# KiCad board register-motherboard - Copy.kicad_pcb (continued)
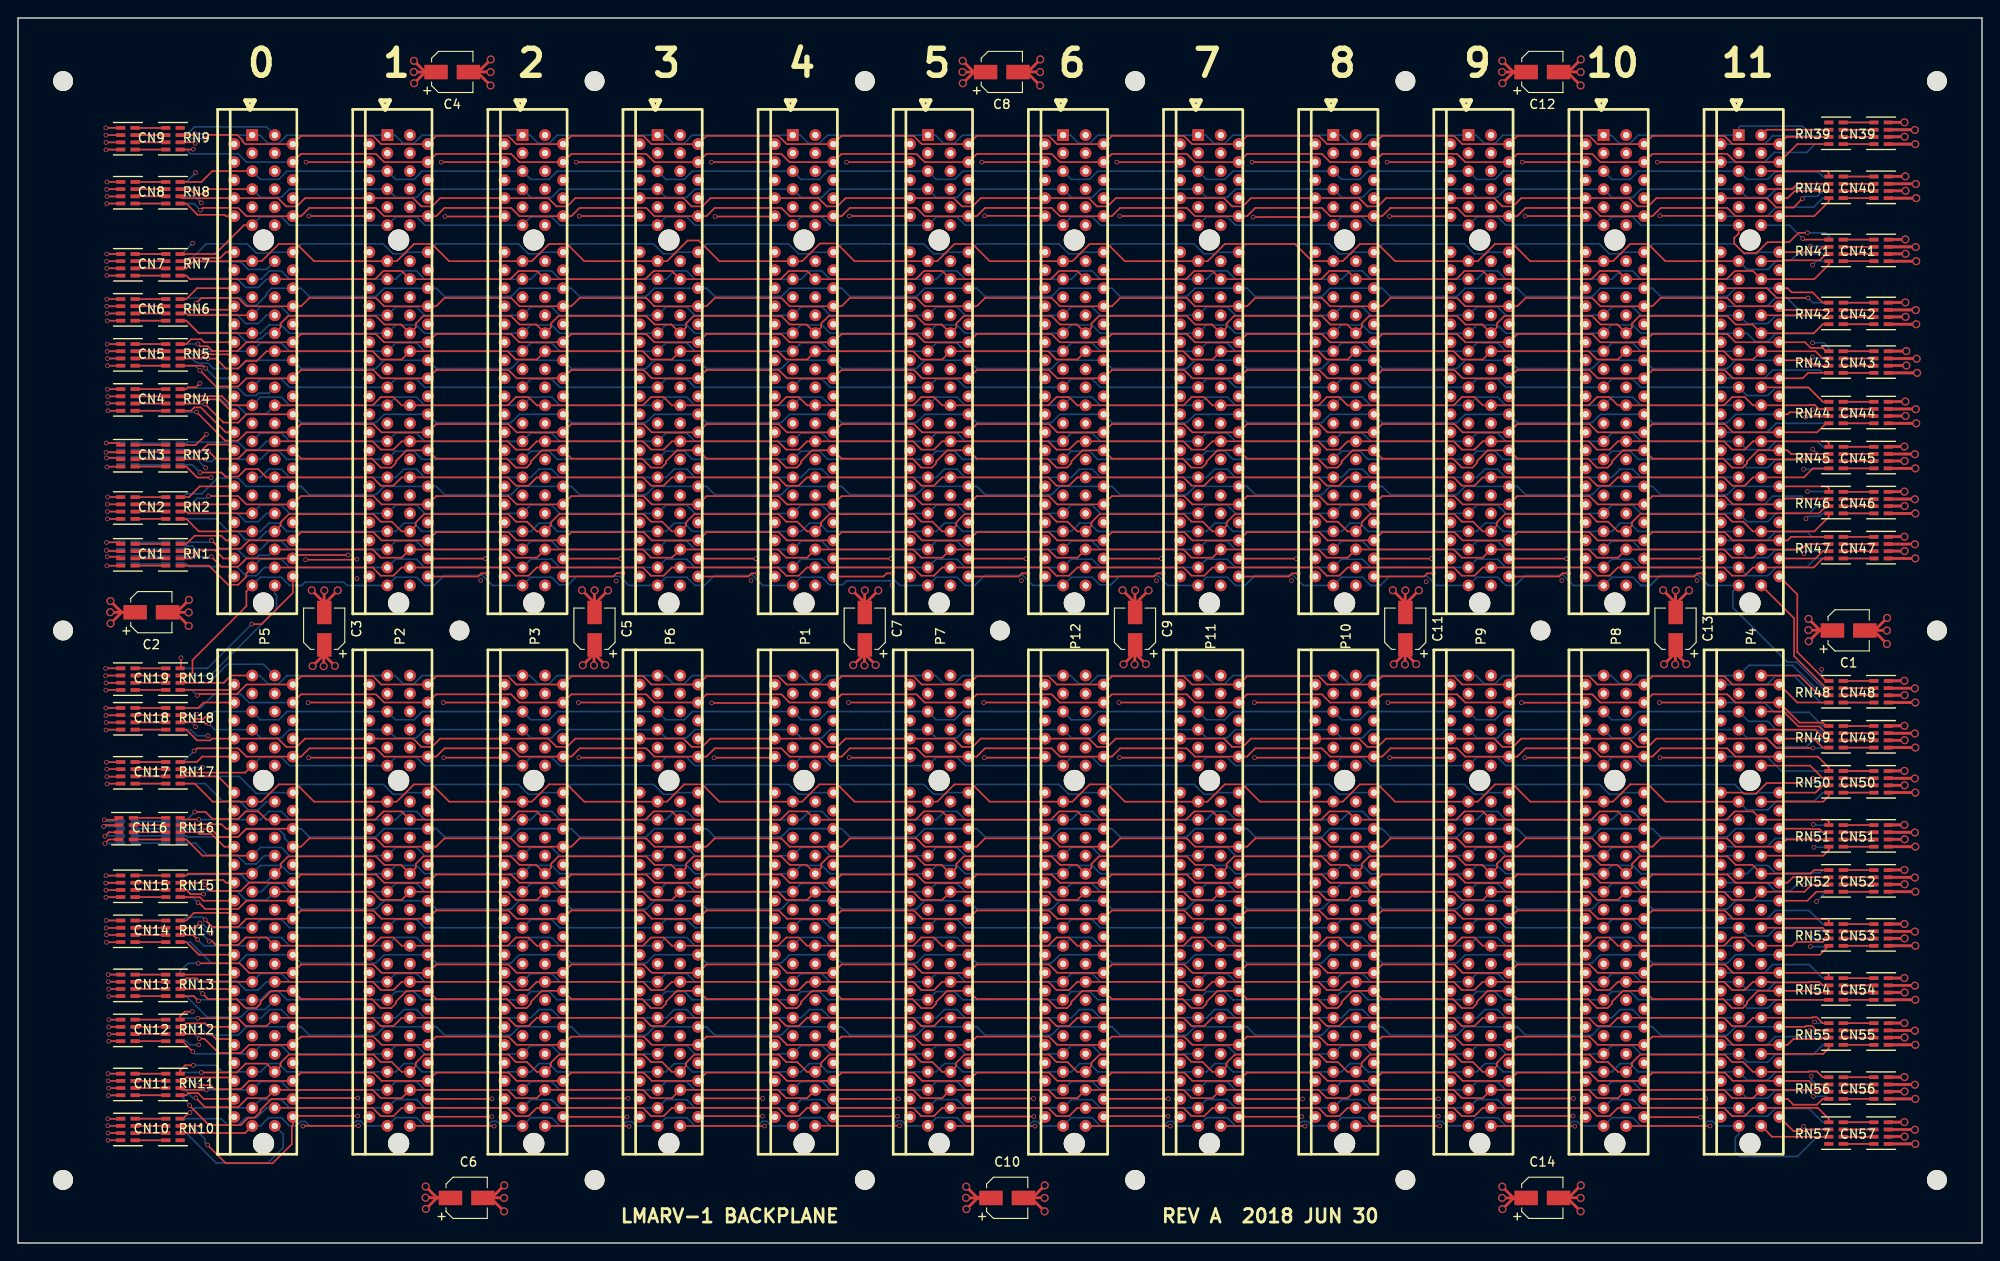
[diagram p0: board, top side]
## Routing (per net, layer and track width the routed paths; a pad name or vN(x,y) marks a point on that pad's centre or on a via; arc(x,y) is an arc through that point) (continued)
/rs1[5]: length 192.4
  Top w0.178: v1(20.72,39.78) 21.42,39.08 24.72,39.08 25.64,40 P5.169 31.42,40.92 39.73,40.92 40.64,40 P2.169 46.42,40.92 54.73,40.92 55.64,40 P3.169 61.42,40.92 69.73,40.92 70.64,40 P6.169 76.42,40.92 84.73,40.92 85.64,40 P1.169 91.42,40.92 99.73,40.92 100.64,40 P7.169 106.42,40.92 114.73,40.92 115.64,40 P12.169 121.42,40.92 129.73,40.92 130.64,40 P11.169 136.42,40.92 144.73,40.92 145.64,40 P10.169 151.42,40.92 159.73,40.92 160.64,40 P9.169 166.42,40.92 174.73,40.92 175.64,40 P8.169 181.42,40.92 189.73,40.92 190.64,40 P4.169 196.42,40 197.02,40.6 RN52.6
  Bottom w0.178: RN34.6 20.5,40 v1(20.72,39.78)
/rs1[6]: length 204.2
  Top w0.178: P5.168 29.15,41.65 29.15,42.08 29.98,42.92 39.72,42.92 40.66,41.98 42.52,41.98 P2.168 44.15,41.65 44.15,42.08 44.98,42.92 54.72,42.92 55.66,41.98 57.52,41.98 P3.168 59.15,41.65 59.15,42.08 59.98,42.92 69.72,42.92 70.66,41.98 72.52,41.98 P6.168 74.15,41.65 74.15,42.08 74.98,42.92 84.72,42.92 85.66,41.98 87.52,41.98 P1.168 89.15,41.65 89.15,42.08 89.98,42.92 99.72,42.92 100.66,41.98 102.52,41.98 P7.168 104.15,41.65 104.15,42.08 104.98,42.92 114.72,42.92 115.66,41.98 117.52,41.98 P12.168 119.15,41.65 119.15,42.08 119.98,42.92 129.72,42.92 130.66,41.98 132.52,41.98 P11.168 134.15,41.65 134.15,42.08 134.98,42.92 144.72,42.92 145.66,41.98 147.52,41.98 P10.168 149.15,41.65 149.15,42.08 149.98,42.92 159.72,42.92 160.66,41.98 162.52,41.98 P9.168 164.15,41.65 164.15,42.08 164.98,42.92 174.72,42.92 175.66,41.98 177.52,41.98 P8.168 179.15,41.65 179.15,42.08 179.98,42.92 189.72,42.92 190.66,41.98 192.52,41.98 P4.168 198.96,41 199.36,41.4 RN52.5
  Bottom w0.178: RN34.5 18.68,40.8 18.79,40.92 24.73,40.92 25.56,40.08 27.58,40.08 P5.168
/rs1[7]: length 193.3
  Top w0.178: P4.166 200.38,43 201,43.62 RN51.8
  In2.Cu w0.178: P5.166 39.64,43 40.56,42.08 42.58,42.08 P2.166 54.64,43 55.56,42.08 57.58,42.08 P3.166 69.64,43 70.56,42.08 72.58,42.08 P6.166 84.64,43 85.56,42.08 87.58,42.08 P1.166 99.64,43 100.56,42.08 102.58,42.08 P7.166 114.64,43 115.56,42.08 117.58,42.08 P12.166 129.64,43 130.56,42.08 132.58,42.08 P11.166 144.64,43 145.56,42.08 147.58,42.08 P10.166 159.64,43 160.56,42.08 162.58,42.08 P9.166 174.64,43 175.56,42.08 177.58,42.08 P8.166 189.64,43 190.56,42.08 192.58,42.08 P4.166
  Bottom w0.178: P5.166 27.36,43 26.44,42.08 25.27,42.08 24.27,43.08 20.99,43.08 19.67,44.4 RN35.8
/rs1[8]: length 193.1
  Top w0.178: P5.165 31.42,44 32.34,44.92 39.73,44.92 40.64,44 P2.165 46.42,44 47.34,44.92 54.73,44.92 55.64,44 P3.165 61.42,44 62.34,44.92 69.73,44.92 70.64,44 P6.165 76.42,44 77.34,44.92 84.73,44.92 85.64,44 P1.165 91.42,44 92.34,44.92 99.73,44.92 100.64,44 P7.165 106.42,44 107.34,44.92 114.73,44.92 115.64,44 P12.165 121.42,44 122.34,44.92 129.73,44.92 130.64,44 P11.165 136.42,44 137.34,44.92 144.73,44.92 145.64,44 P10.165 151.42,44 152.34,44.92 159.73,44.92 160.64,44 P9.165 166.42,44 167.34,44.92 174.73,44.92 175.64,44 P8.165 181.42,44 182.34,44.92 189.73,44.92 190.64,44 P4.165 196.3,44.8 RN51.7
  Bottom w0.178: RN35.7 18.68,45.2 18.79,45.08 24.44,45.08 25.27,45.92 28.94,45.92 29.58,45.27 29.58,44.92 P5.165
/rs1[9]: length 192.3
  Top w0.178: v1(20.4,45.93) 21.47,45.93 22.32,45.08 24.44,45.08 25.36,46 P5.163 ; RN51.6 200.32,45.6 199.96,45.96 198.91,45.96 198.87,46 P4.163
  Bottom w0.178: P5.163 31.42,46 32.34,45.08 39.73,45.08 40.64,46 P2.163 46.42,46 47.34,45.08 54.73,45.08 55.64,46 P3.163 61.42,46 62.34,45.08 69.73,45.08 70.64,46 P6.163 76.42,46 77.34,45.08 84.73,45.08 85.64,46 P1.163 91.42,46 92.34,45.08 99.73,45.08 100.64,46 P7.163 106.42,46 107.34,45.08 114.73,45.08 115.64,46 P12.163 121.42,46 122.34,45.08 129.73,45.08 130.64,46 P11.163 136.42,46 137.34,45.08 144.73,45.08 145.64,46 P10.163 151.42,46 152.34,45.08 159.73,45.08 160.64,46 P9.163 166.42,46 167.34,45.08 174.73,45.08 175.64,46 P8.163 181.42,46 182.34,45.08 189.73,45.08 190.64,46 P4.163 ; RN35.6 18.68,46 18.75,45.93 v1(20.4,45.93)
/rs1[10]: length 193.3
  Top w0.178: v1(19.62,47.86) 20.81,47.86 21.59,47.08 24.44,47.08 25.27,47.92 26.66,47.92 27.58,47 P5.162 39.64,47 40.56,47.92 42.58,47.92 P2.162 54.64,47 55.56,47.92 57.58,47.92 P3.162 69.64,47 70.56,47.92 72.58,47.92 P6.162 84.64,47 85.56,47.92 87.58,47.92 P1.162 99.64,47 100.56,47.92 102.58,47.92 P7.162 114.64,47 115.56,47.92 117.58,47.92 P12.162 129.64,47 130.56,47.92 132.58,47.92 P11.162 144.64,47 145.56,47.92 147.58,47.92 P10.162 159.64,47 160.56,47.92 162.58,47.92 P9.162 174.64,47 175.56,47.92 177.58,47.92 P8.162 189.64,47 190.56,47.92 192.58,47.92 P4.162 200.78,47 201,46.78 RN51.5
  Bottom w0.178: v1(19.62,47.86) 18.56,46.8 RN35.5
/rs1[11]: length 193.6
  Top w0.178: RN50.8 201,49.62 200.38,49 P4.160
  In2.Cu w0.178: P5.160 39.36,49 40.27,48.08 42.58,48.08 P2.160 54.36,49 55.27,48.08 57.58,48.08 P3.160 69.36,49 70.27,48.08 72.58,48.08 P6.160 84.36,49 85.27,48.08 87.58,48.08 P1.160 99.36,49 100.27,48.08 102.58,48.08 P7.160 114.36,49 115.27,48.08 117.58,48.08 P12.160 129.36,49 130.27,48.08 132.58,48.08 P11.160 144.36,49 145.27,48.08 147.58,48.08 P10.160 159.36,49 160.27,48.08 162.58,48.08 P9.160 174.36,49 175.27,48.08 177.58,48.08 P8.160 189.36,49 190.27,48.08 191.66,48.08 192.58,49 P4.160
  Bottom w0.178: RN36.8 20.77,51 22.69,49.08 24.56,49.08 25.56,48.08 26.66,48.08 27.58,49 P5.160
/rs1[12]: length 194.1
  Top w0.178: P4.159 199.52,50 200.32,50.8 RN50.7
  Bottom w0.178: P4.159 193.14,50 192.96,49.82 191.65,49.82 190.55,50.92 181.42,50.92 P8.159 178.14,50 177.96,49.82 176.65,49.82 175.55,50.92 166.42,50.92 P9.159 163.14,50 162.96,49.82 161.65,49.82 160.55,50.92 151.42,50.92 P10.159 148.14,50 147.96,49.82 146.65,49.82 145.55,50.92 136.42,50.92 P11.159 133.14,50 132.96,49.82 131.65,49.82 130.55,50.92 121.42,50.92 P12.159 118.14,50 117.96,49.82 116.65,49.82 115.55,50.92 106.42,50.92 P7.159 103.14,50 102.96,49.82 101.65,49.82 100.55,50.92 91.42,50.92 P1.159 88.14,50 87.96,49.82 86.65,49.82 85.55,50.92 76.42,50.92 P6.159 73.14,50 72.96,49.82 71.65,49.82 70.55,50.92 61.42,50.92 P3.159 58.14,50 57.96,49.82 56.65,49.82 55.55,50.92 46.42,50.92 P2.159 43.14,50 42.96,49.82 41.65,49.82 40.55,50.92 31.42,50.92 P5.159 28.03,50 27.94,49.91 26.45,49.91 24.56,51.8 RN36.7
/rs1[13]: length 192.9
  Top w0.178: RN50.6 200.32,51.6 198.92,53 P4.158
  In2.Cu w0.178: P4.158 192.58,53.92 190.56,53.92 189.64,53 P8.158 177.58,53.92 175.56,53.92 174.64,53 P9.158 162.58,53.92 160.56,53.92 159.64,53 P10.158 147.58,53.92 145.56,53.92 144.64,53 P11.158 132.58,53.92 130.56,53.92 129.64,53 P12.158 117.58,53.92 115.56,53.92 114.64,53 P7.158 102.58,53.92 100.56,53.92 99.64,53 P1.158 87.58,53.92 85.56,53.92 84.64,53 P6.158 72.58,53.92 70.56,53.92 69.64,53 P3.158 57.58,53.92 55.56,53.92 54.64,53 P2.158 42.58,53.92 40.56,53.92 39.64,53 P5.158 27.58,53.92 25.27,53.92 24.44,53.08 21.02,53.08 20.75,52.82 v1(20.45,52.82)
  Bottom w0.178: RN36.6 19.27,52.6 19.49,52.82 v1(20.45,52.82)
/rs1[14]: length 193.2
  Top w0.178: RN50.5 201,52.78 199.78,54 P4.157 190.64,54 189.73,54.92 182.34,54.92 181.42,54 P8.157 175.64,54 174.73,54.92 167.34,54.92 166.42,54 P9.157 160.64,54 159.73,54.92 152.34,54.92 151.42,54 P10.157 145.64,54 144.73,54.92 137.34,54.92 136.42,54 P11.157 130.64,54 129.73,54.92 122.34,54.92 121.42,54 P12.157 115.64,54 114.73,54.92 107.34,54.92 106.42,54 P7.157 100.64,54 99.73,54.92 92.34,54.92 91.42,54 P1.157 85.64,54 84.73,54.92 77.34,54.92 76.42,54 P6.157 70.64,54 69.73,54.92 62.34,54.92 61.42,54 P3.157 55.64,54 54.73,54.92 47.34,54.92 46.42,54 P2.157 40.64,54 39.73,54.92 32.34,54.92 31.42,54 P5.157 25.36,54 24.44,54.92 19.87,54.92 19.57,54.62 v1(19.54,54.62)
  Bottom w0.178: RN36.5 18.32,53.4 v1(19.54,54.62)
/rs1[15]: length 250.6
  Top w0.178: P4.155 199.32,56 200.32,55 RN49.8
  In2.Cu w0.178: 54.73,55.08 55.64,56 P3.155 61.42,55.08 69.73,55.08 70.64,56 P6.155 ; 54.73,55.08 47.34,55.08 46.42,56 P2.155 ; 54.73,55.08 46.42,55.08 P2.155 ; P2.155 40.64,56 39.73,55.08 31.42,55.08 P5.155 25.64,56 24.73,55.08 23.43,55.08 22.19,56.32 v1(21.08,56.32) ; 84.73,55.08 77.34,55.08 76.42,56 P6.155 ; 84.73,55.08 85.64,56 P1.155 91.42,55.08 99.73,55.08 100.64,56 P7.155 ; 84.73,55.08 76.42,55.08 P6.155 ; 114.73,55.08 107.34,55.08 106.42,56 P7.155 ; 114.73,55.08 115.64,56 P12.155 121.42,55.08 129.73,55.08 130.64,56 P11.155 ; 114.73,55.08 106.42,55.08 P7.155 ; 144.73,55.08 137.34,55.08 136.42,56 P11.155 ; 144.73,55.08 145.64,56 P10.155 ; 144.73,55.08 136.42,55.08 P11.155 ; P10.155 151.42,56 152.34,55.08 159.73,55.08 ; P10.155 151.42,55.08 159.73,55.08 ; 159.73,55.08 160.64,56 P9.155 166.42,55.08 174.73,55.08 175.64,56 P8.155 ; 189.73,55.08 190.64,56 P4.155 ; 189.73,55.08 182.34,55.08 181.42,56 P8.155 ; 189.73,55.08 181.42,55.08 P8.155
  Bottom w0.178: RN37.8 19.16,57 19.84,56.32 v1(21.08,56.32)
/rs1[16]: length 192.5
  Top w0.178: v1(19.97,99.81) 20.22,99.56 21.05,99.56 21.58,99.03 24.38,99.03 25.36,100 P5.120 31.42,100.92 39.73,100.92 40.64,100 P2.120 46.42,100.92 54.73,100.92 55.64,100 P3.120 61.42,100.92 69.73,100.92 70.64,100 P6.120 76.42,100.92 84.73,100.92 85.64,100 P1.120 91.42,100.92 99.73,100.92 100.64,100 P7.120 106.42,100.92 114.73,100.92 115.64,100 P12.120 121.42,100.92 129.73,100.92 130.64,100 P11.120 136.42,100.92 144.73,100.92 145.64,100 P10.120 151.42,100.92 159.73,100.92 160.64,100 P9.120 166.42,100.92 174.73,100.92 175.64,100 P8.120 181.42,100.92 189.73,100.92 190.64,100 P4.120 198.36,100 198.98,99.38 200.32,99.38 200.7,99 RN43.5
  Bottom w0.178: RN24.5 18.01,99.81 v1(19.97,99.81)
/rs1[17]: length 205
  Top w0.178: P5.119 29.15,101.65 29.15,102.08 29.98,102.92 39.72,102.92 40.66,101.98 42.52,101.98 P2.119 44.15,101.65 44.15,102.08 44.98,102.92 54.72,102.92 55.66,101.98 57.52,101.98 P3.119 59.15,101.65 59.15,102.08 59.98,102.92 69.72,102.92 70.66,101.98 72.52,101.98 P6.119 74.15,101.65 74.15,102.08 74.98,102.92 84.72,102.92 85.66,101.98 87.52,101.98 P1.119 89.15,101.65 89.15,102.08 89.98,102.92 99.72,102.92 100.66,101.98 102.52,101.98 P7.119 104.15,101.65 104.15,102.08 104.98,102.92 114.72,102.92 115.66,101.98 117.52,101.98 P12.119 119.15,101.65 119.15,102.08 119.98,102.92 129.72,102.92 130.66,101.98 132.52,101.98 P11.119 134.15,101.65 134.15,102.08 134.98,102.92 144.72,102.92 145.66,101.98 147.52,101.98 P10.119 149.15,101.65 149.15,102.08 149.98,102.92 159.72,102.92 160.66,101.98 162.52,101.98 P9.119 164.15,101.65 164.15,102.08 164.98,102.92 174.72,102.92 175.66,101.98 177.52,101.98 P8.119 179.15,101.65 179.15,102.08 179.98,102.92 189.72,102.92 190.66,101.98 192.52,101.98 P4.119 199.32,101 200.32,102 RN42.8
  Bottom w0.178: RN25.8 18.68,102.4 19.99,101.08 24.27,101.08 25.27,100.08 26.44,100.08 26.76,100.4 26.98,100.4 27.58,101 P5.119
/rs1[18]: length 192.3
  Top w0.178: P4.117 200.12,103 200.32,102.8 RN42.7
  In2.Cu w0.178: P4.117 192.58,102.08 190.56,102.08 189.64,103 P8.117 177.58,102.08 175.56,102.08 174.64,103 P9.117 162.58,102.08 160.56,102.08 159.64,103 P10.117 147.58,102.08 145.56,102.08 144.64,103 P11.117 132.58,102.08 130.56,102.08 129.64,103 P12.117 117.58,102.08 115.56,102.08 114.64,103 P7.117 102.58,102.08 100.56,102.08 99.64,103 P1.117 87.58,102.08 85.56,102.08 84.64,103 P6.117 72.58,102.08 70.56,102.08 69.64,103 P3.117 57.58,102.08 55.56,102.08 54.64,103 P2.117 42.58,102.08 40.56,102.08 39.64,103 P5.117
  Bottom w0.178: RN25.7 18.68,103.2 18.79,103.08 24.27,103.08 25.27,102.08 26.66,102.08 27.58,103 P5.117
/rs1[19]: length 192.3
  Top w0.178: RN42.6 195.9,103.6 P4.116 190.64,104 189.73,104.92 182.34,104.92 181.42,104 P8.116 175.64,104 174.73,104.92 167.34,104.92 166.42,104 P9.116 160.64,104 159.73,104.92 152.34,104.92 151.42,104 P10.116 145.64,104 144.73,104.92 137.34,104.92 136.42,104 P11.116 130.64,104 129.73,104.92 122.34,104.92 121.42,104 P12.116 115.64,104 114.73,104.92 107.34,104.92 106.42,104 P7.116 100.64,104 99.73,104.92 92.34,104.92 91.42,104 P1.116 85.64,104 84.73,104.92 77.34,104.92 76.42,104 P6.116 70.64,104 69.73,104.92 62.34,104.92 61.42,104 P3.116 55.64,104 54.73,104.92 47.34,104.92 46.42,104 P2.116 40.64,104 39.73,104.92 32.34,104.92 31.42,104 P5.116 25.36,104 24.44,104.92 20.35,104.92 v1(19.78,104.35)
  Bottom w0.178: v1(19.78,104.35) 19.43,104 RN25.6
/rs1[20]: length 193.3
  Top w0.178: RN42.5 200.32,104.4 199.18,105.54 196.88,105.54 196.42,106 P4.114
  Bottom w0.178: P4.114 190.64,106 189.73,105.08 182.34,105.08 181.42,106 P8.114 175.64,106 174.73,105.08 167.34,105.08 166.42,106 P9.114 160.64,106 159.73,105.08 152.34,105.08 151.42,106 P10.114 145.64,106 144.73,105.08 137.34,105.08 136.42,106 P11.114 130.64,106 129.73,105.08 122.34,105.08 121.42,106 P12.114 115.64,106 114.73,105.08 107.34,105.08 106.42,106 P7.114 100.64,106 99.73,105.08 92.34,105.08 91.42,106 P1.114 85.64,106 84.73,105.08 77.34,105.08 76.42,106 P6.114 70.64,106 69.73,105.08 62.34,105.08 61.42,106 P3.114 55.64,106 54.73,105.08 47.34,105.08 46.42,106 P2.114 40.64,106 39.73,105.08 32.34,105.08 31.42,106 P5.114 28.14,106 27.58,105.44 27.58,105.23 26.44,104.08 25.56,104.08 24.73,104.92 18.79,104.92 18.68,104.8 RN25.5
/rs1[21]: length 193.3
  Top w0.178: RN41.8 201,108.62 199.38,107 P4.113 192.58,107.92 190.56,107.92 189.64,107 P8.113 177.58,107.92 175.56,107.92 174.64,107 P9.113 162.58,107.92 160.56,107.92 159.64,107 P10.113 147.58,107.92 145.56,107.92 144.64,107 P11.113 132.58,107.92 130.56,107.92 129.64,107 P12.113 117.58,107.92 115.56,107.92 114.64,107 P7.113 102.58,107.92 100.56,107.92 99.64,107 P1.113 87.58,107.92 85.56,107.92 84.64,107 P6.113 72.58,107.92 70.56,107.92 69.64,107 P3.113 57.58,107.92 55.56,107.92 54.64,107 P2.113 42.58,107.92 40.56,107.92 39.64,107 P5.113
  Bottom w0.178: RN26.8 18.68,107.4 18.99,107.08 24.27,107.08 25.27,106.08 26.66,106.08 27.58,107 P5.113
/rs1[22]: length 192.7
  Top w0.178: P4.111 195.86,109 195.96,109.1 200,109.1 200.7,109.8 RN41.7
  In2.Cu w0.178: P4.111 192.58,108.08 190.27,108.08 189.36,109 P8.111 177.58,108.08 175.27,108.08 174.36,109 P9.111 162.58,108.08 160.27,108.08 159.36,109 P10.111 147.58,108.08 145.27,108.08 144.36,109 P11.111 132.58,108.08 130.27,108.08 129.36,109 P12.111 117.58,108.08 115.27,108.08 114.36,109 P7.111 102.58,108.08 100.27,108.08 99.36,109 P1.111 87.58,108.08 85.27,108.08 84.36,109 P6.111 72.58,108.08 70.27,108.08 69.36,109 P3.111 57.58,108.08 55.27,108.08 54.36,109 P2.111 42.58,108.08 40.27,108.08 39.36,109 P5.111
  Bottom w0.178: RN26.7 18.68,108.2 19.39,108.92 24.73,108.92 25.56,108.08 27.58,108.08 P5.111
/rs1[23]: length 194.5
  Top w0.178: P4.110 199.72,110 200.32,110.6 RN41.6
  Bottom w0.178: P4.110 193.14,110 192.96,109.82 191.65,109.82 190.55,110.92 181.42,110.92 P8.110 178.14,110 177.96,109.82 176.65,109.82 175.55,110.92 166.42,110.92 P9.110 163.14,110 162.96,109.82 161.65,109.82 160.55,110.92 151.42,110.92 P10.110 148.14,110 147.96,109.82 146.65,109.82 145.55,110.92 136.42,110.92 P11.110 133.14,110 132.96,109.82 131.65,109.82 130.55,110.92 121.42,110.92 P12.110 118.14,110 117.96,109.82 116.65,109.82 115.55,110.92 106.42,110.92 P7.110 103.14,110 102.96,109.82 101.65,109.82 100.55,110.92 91.42,110.92 P1.110 88.14,110 87.96,109.82 86.65,109.82 85.55,110.92 76.42,110.92 P6.110 73.14,110 72.96,109.82 71.65,109.82 70.55,110.92 61.42,110.92 P3.110 58.14,110 57.96,109.82 56.65,109.82 55.55,110.92 46.42,110.92 P2.110 43.14,110 42.96,109.82 41.65,109.82 40.55,110.92 31.42,110.92 P5.110 28.03,110 27.94,109.91 26.45,109.91 25.44,110.92 20.89,110.92 18.97,109 RN26.6
/rs1[24]: length 194.1
  Top w0.178: RN41.5 198.22,111.4 v1(198.09,111.53)
  In2.Cu w0.178: P4.109 192.58,113.92 190.56,113.92 189.64,113 P8.109 177.58,113.92 175.56,113.92 174.64,113 P9.109 162.58,113.92 160.56,113.92 159.64,113 P10.109 147.58,113.92 145.56,113.92 144.64,113 P11.109 132.58,113.92 130.56,113.92 129.64,113 P12.109 117.58,113.92 115.56,113.92 114.64,113 P7.109 102.58,113.92 100.56,113.92 99.64,113 P1.109 87.58,113.92 85.56,113.92 84.64,113 P6.109 72.58,113.92 70.56,113.92 69.64,113 P3.109 57.58,113.92 55.56,113.92 54.64,113 P2.109 42.58,113.92 40.56,113.92 39.64,113 P5.109 27.58,113.92 25.56,113.92 22.64,111 v1(19.38,111)
  Bottom w0.178: v1(19.38,111) 18.18,109.8 RN26.5 ; v1(198.09,111.53) 196.62,113 P4.109
/rs1[25]: length 193.2
  Top w0.178: v1(20.25,114.67) 20.5,114.92 24.43,114.92 25.36,114 P5.108 31.42,114 32.34,114.92 39.73,114.92 40.64,114 P2.108 46.42,114 47.34,114.92 54.73,114.92 55.64,114 P3.108 61.42,114 62.34,114.92 69.73,114.92 70.64,114 P6.108 76.42,114 77.34,114.92 84.73,114.92 85.64,114 P1.108 91.42,114 92.34,114.92 99.73,114.92 100.64,114 P7.108 106.42,114 107.34,114.92 114.73,114.92 115.64,114 P12.108 121.42,114 122.34,114.92 129.73,114.92 130.64,114 P11.108 136.42,114 137.34,114.92 144.73,114.92 145.64,114 P10.108 151.42,114 152.34,114.92 159.73,114.92 160.64,114 P9.108 166.42,114 167.34,114.92 174.73,114.92 175.64,114 P8.108 181.42,114 182.34,114.92 189.73,114.92 190.64,114 P4.108 199.38,114 201,115.62 RN40.8
  Bottom w0.178: RN27.8 19.52,115.4 v1(20.25,114.67)
/rs1[26]: length 192.5
  Top w0.178: RN40.7 197.22,116.8 196.42,116 P4.106
  In2.Cu w0.178: P4.106 190.64,116 189.73,115.08 182.34,115.08 181.42,116 P8.106 175.64,116 174.73,115.08 166.42,115.08 P9.106 160.64,116 159.73,115.08 152.34,115.08 151.42,116 P10.106 145.64,116 144.73,115.08 137.34,115.08 136.42,116 P11.106 130.64,116 129.73,115.08 121.42,115.08 P12.106 115.64,116 114.73,115.08 107.34,115.08 106.42,116 P7.106 100.64,116 99.73,115.08 91.42,115.08 P1.106 85.64,116 84.73,115.08 77.34,115.08 76.42,116 P6.106 70.64,116 69.73,115.08 61.42,115.08 P3.106 55.64,116 54.73,115.08 47.34,115.08 46.42,116 P2.106 40.64,116 39.73,115.08 31.42,115.08 P5.106 25.36,116 24.44,115.08 20.74,115.08 v1(20.34,115.48)
  Bottom w0.178: RN27.7 19.62,116.2 v1(20.34,115.48)
/rs1[27]: length 192.4
  Top w0.178: P4.105 196.92,117 197.52,117.6 RN40.6
  In2.Cu w0.178: P4.105 192.58,117.92 190.56,117.92 189.64,117 P8.105 177.58,117.92 175.56,117.92 174.64,117 P9.105 162.58,117.92 160.56,117.92 159.64,117 P10.105 147.58,117.92 145.56,117.92 144.64,117 P11.105 132.58,117.92 130.56,117.92 129.64,117 P12.105 117.58,117.92 115.56,117.92 114.64,117 P7.105 102.58,117.92 100.56,117.92 99.64,117 P1.105 87.58,117.92 85.56,117.92 84.64,117 P6.105 72.58,117.92 70.56,117.92 69.64,117 P3.105 57.58,117.92 55.56,117.92 54.64,117 P2.105 42.58,117.92 40.56,117.92 39.64,117 P5.105 27.58,117.92 25.56,117.92 24.67,117.03 v1(19.86,117.03)
  Bottom w0.178: RN27.6 18.03,117.03 v1(19.86,117.03)
/rs1[28]: length 193.1
  Top w0.178: P4.103 200.78,119 201,118.78 RN40.5
  In2.Cu w0.178: P4.103 192.58,119.92 190.27,119.92 189.36,119 P8.103 177.58,119.92 175.27,119.92 174.36,119 P9.103 162.58,119.92 160.27,119.92 159.36,119 P10.103 147.58,119.92 145.27,119.92 144.36,119 P11.103 132.58,119.92 130.27,119.92 129.36,119 P12.103 117.58,119.92 115.27,119.92 114.36,119 P7.103 102.58,119.92 100.27,119.92 99.36,119 P1.103 87.58,119.92 85.27,119.92 84.36,119 P6.103 72.58,119.92 70.27,119.92 69.36,119 P3.103 57.58,119.92 55.27,119.92 54.36,119 P2.103 42.58,119.92 40.27,119.92 39.36,119 P5.103 27.58,119.92 25.56,119.92 24.64,119 19.88,119 v1(19.72,118.84)
  Bottom w0.178: RN27.5 18.68,117.8 v1(19.72,118.84)
/rs1[29]: length 192.8
  Top w0.178: RN39.8 197.5,122 P4.102 190.64,120 189.73,120.92 181.42,120.92 P8.102 175.64,120 174.73,120.92 166.42,120.92 P9.102 160.64,120 159.73,120.92 151.42,120.92 P10.102 145.64,120 144.73,120.92 136.42,120.92 P11.102 130.64,120 129.73,120.92 121.42,120.92 P12.102 115.64,120 114.73,120.92 106.42,120.92 P7.102 100.64,120 99.73,120.92 91.42,120.92 P1.102 85.64,120 84.73,120.92 76.42,120.92 P6.102 70.64,120 69.73,120.92 61.42,120.92 P3.102 55.64,120 54.73,120.92 46.42,120.92 P2.102 40.64,120 39.73,120.92 31.42,120.92 P5.102
  Bottom w0.178: P5.102 25.36,120 24.44,120.92 19.16,120.92 18.68,121.4 RN28.8
/rs1[30]: length 192.6
  Top w0.178: RN39.7 196.3,122.8 P4.100 190.32,122 189.4,122.92 181.42,122.92 P8.100 175.32,122 174.4,122.92 166.42,122.92 P9.100 160.32,122 159.4,122.92 151.42,122.92 P10.100 145.32,122 144.4,122.92 136.42,122.92 P11.100 130.32,122 129.4,122.92 121.42,122.92 P12.100 115.32,122 114.4,122.92 106.42,122.92 P7.100 100.32,122 99.4,122.92 91.42,122.92 P1.100 85.32,122 84.4,122.92 76.42,122.92 P6.100 70.32,122 69.4,122.92 61.42,122.92 P3.100 55.32,122 54.4,122.92 46.42,122.92 P2.100 40.32,122 39.4,122.92 31.42,122.92 P5.100 25.22,122 24.92,122.3 24.92,122.44 24.33,123.03 21.18,123.03 v1(20.74,122.59)
  Bottom w0.178: v1(20.74,122.59) 20.38,122.59 20.36,122.61 19.09,122.61 18.68,122.2 RN28.7
/rs1[31]: length 192.4
  Top w0.178: RN39.6 194.1,123.6 P4.99
  In2.Cu w0.178: P4.99 192.58,123.92 190.06,123.92 189.15,123.01 179.43,123.01 179.42,123 P8.99 177.58,123.92 175.06,123.92 174.15,123.01 164.43,123.01 164.42,123 P9.99 162.58,123.92 160.06,123.92 159.15,123.01 149.43,123.01 149.42,123 P10.99 147.58,123.92 145.06,123.92 144.15,123.01 134.43,123.01 134.42,123 P11.99 132.58,123.92 130.06,123.92 129.15,123.01 119.43,123.01 119.42,123 P12.99 117.58,123.92 115.06,123.92 114.15,123.01 104.43,123.01 104.42,123 P7.99 102.58,123.92 100.06,123.92 99.15,123.01 89.43,123.01 89.42,123 P1.99 87.58,123.92 85.06,123.92 84.15,123.01 74.43,123.01 74.42,123 P6.99 72.58,123.92 70.06,123.92 69.15,123.01 59.43,123.01 59.42,123 P3.99 57.58,123.92 55.06,123.92 54.15,123.01 44.43,123.01 44.42,123 P2.99 42.58,123.92 40.06,123.92 39.15,123.01 29.43,123.01 29.42,123 P5.99
  Bottom w0.178: RN28.6 18.68,123 19.59,123.92 27.58,123.92 P5.99
/rs1a[0]: length 192.9
  Top w0.178: P4.154 199.5,57 200.7,55.8 RN49.7
  In2.Cu w0.178: P4.154 192.58,57.92 190.56,57.92 189.64,57 P8.154 177.58,57.92 175.56,57.92 174.64,57 P9.154 162.58,57.92 160.56,57.92 159.64,57 P10.154 147.58,57.92 145.56,57.92 144.64,57 P11.154 132.58,57.92 130.56,57.92 129.64,57 P12.154 117.58,57.92 115.56,57.92 114.64,57 P7.154 102.58,57.92 100.56,57.92 99.64,57 P1.154 87.58,57.92 85.56,57.92 84.64,57 P6.154 72.58,57.92 70.56,57.92 69.64,57 P3.154 57.58,57.92 55.56,57.92 54.64,57 P2.154 42.58,57.92 40.56,57.92 39.64,57 P5.154 27.58,57.92 25.27,57.92 24.44,57.08 20.46,57.08 20.23,57.31 v1(19.71,57.31)
  Bottom w0.178: v1(19.71,57.31) 19.22,57.8 RN37.7
/rs1a[1]: length 193.3
  Top w0.178: RN49.6 200.7,56.6 199.94,57.36 197.62,57.36 195.97,59 P4.152
  In2.Cu w0.178: P4.152 192.58,59.92 190.27,59.92 189.36,59 P8.152 177.58,59.92 175.27,59.92 174.36,59 P9.152 162.58,59.92 160.27,59.92 159.36,59 P10.152 147.58,59.92 145.27,59.92 144.36,59 P11.152 132.58,59.92 130.27,59.92 129.36,59 P12.152 117.58,59.92 115.27,59.92 114.36,59 P7.152 102.58,59.92 100.27,59.92 99.36,59 P1.152 87.58,59.92 85.27,59.92 84.36,59 P6.152 72.58,59.92 70.27,59.92 69.36,59 P3.152 57.58,59.92 55.27,59.92 54.36,59 P2.152 42.58,59.92 40.27,59.92 39.36,59 P5.152 27.58,59.92 25.56,59.92 24.6,58.96 20.08,58.96 v1(19.83,58.71)
  Bottom w0.178: RN37.6 19.72,58.6 v1(19.83,58.71)
/rs1a[2]: length 193.4
  Top w0.178: P5.151 31.42,60.92 39.73,60.92 40.64,60 P2.151 46.42,60.92 54.73,60.92 55.64,60 P3.151 61.42,60.92 69.73,60.92 70.64,60 P6.151 76.42,60.92 84.73,60.92 85.64,60 P1.151 91.42,60.92 99.73,60.92 100.64,60 P7.151 106.42,60.92 114.73,60.92 115.64,60 P12.151 121.42,60.92 129.73,60.92 130.64,60 P11.151 136.42,60.92 144.73,60.92 145.64,60 P10.151 151.42,60.92 159.73,60.92 160.64,60 P9.151 166.42,60.92 174.73,60.92 175.64,60 P8.151 181.42,60.92 189.73,60.92 190.64,60 P4.151 197.72,57.78 200.32,57.78 200.7,57.4 RN49.5
  Bottom w0.178: RN37.5 20.24,59.4 21.76,60.92 24.73,60.92 25.64,60 P5.151
/rs1a[3]: length 192.9
  Top w0.178: v1(19.89,60.78) 20.05,60.94 24.3,60.94 25.36,62 P5.149 31.42,62.92 39.4,62.92 40.32,62 P2.149 46.42,62.92 54.4,62.92 55.32,62 P3.149 61.42,62.92 69.4,62.92 70.32,62 P6.149 76.42,62.92 84.4,62.92 85.32,62 P1.149 91.42,62.92 99.4,62.92 100.32,62 P7.149 106.42,62.92 114.4,62.92 115.32,62 P12.149 121.42,62.92 129.4,62.92 130.32,62 P11.149 136.42,62.92 144.4,62.92 145.32,62 P10.149 151.42,62.92 159.4,62.92 160.32,62 P9.149 166.42,62.92 174.4,62.92 175.32,62 P8.149 181.42,62.92 189.4,62.92 190.32,62 P4.149 197.5,60 RN48.8
  Bottom w0.178: RN38.8 19.27,61.4 v1(19.89,60.78)
/rs1a[4]: length 193.6
  Top w0.178: RN48.7 199.93,60.8 197.73,63 P4.148
  In2.Cu w0.178: P5.148 29.42,63 29.43,63.01 39.15,63.01 40.06,63.92 42.58,63.92 P2.148 44.42,63 44.43,63.01 54.15,63.01 55.06,63.92 57.58,63.92 P3.148 59.42,63 59.43,63.01 69.15,63.01 70.06,63.92 72.58,63.92 P6.148 74.42,63 74.43,63.01 84.15,63.01 85.06,63.92 87.58,63.92 P1.148 89.42,63 89.43,63.01 99.15,63.01 100.06,63.92 102.58,63.92 P7.148 104.42,63 104.43,63.01 114.15,63.01 115.06,63.92 117.58,63.92 P12.148 119.42,63 119.43,63.01 129.15,63.01 130.06,63.92 132.58,63.92 P11.148 134.42,63 134.43,63.01 144.15,63.01 145.06,63.92 147.58,63.92 P10.148 149.42,63 149.43,63.01 159.15,63.01 160.06,63.92 162.58,63.92 P9.148 164.42,63 164.43,63.01 174.15,63.01 175.06,63.92 177.58,63.92 P8.148 179.42,63 179.43,63.01 189.15,63.01 190.06,63.92 192.58,63.92 P4.148
  Bottom w0.178: P5.148 27.25,64.25 23.23,64.25 21.18,62.2 RN38.7
/rs2[0]: length 192.8
  Top w0.178: RN11.7 18.3,18 18.68,18.38 23.62,18.38 P5.93
  In2.Cu w0.178: P5.93 28.86,18 29.77,18.92 37.16,18.92 38.08,18 P2.93 43.86,18 44.77,18.92 52.16,18.92 53.08,18 P3.93 58.86,18 59.77,18.92 67.16,18.92 68.08,18 P6.93 73.86,18 74.77,18.92 82.16,18.92 83.08,18 P1.93 88.86,18 89.77,18.92 97.16,18.92 98.08,18 P7.93 103.86,18 104.77,18.92 112.16,18.92 113.08,18 P12.93 118.86,18 119.77,18.92 127.16,18.92 128.08,18 P11.93 133.86,18 134.77,18.92 142.16,18.92 143.08,18 P10.93 148.86,18 149.77,18.92 157.16,18.92 158.08,18 P9.93 163.86,18 164.77,18.92 172.16,18.92 173.08,18 P8.93 178.86,18 179.77,18.92 187.16,18.92 188.08,18 P4.93 194.14,18 195.06,18.92 198.64,18.92 v1(199.04,18.52)